# Allegro board 8880F5-0823__zarif.brd (continued)
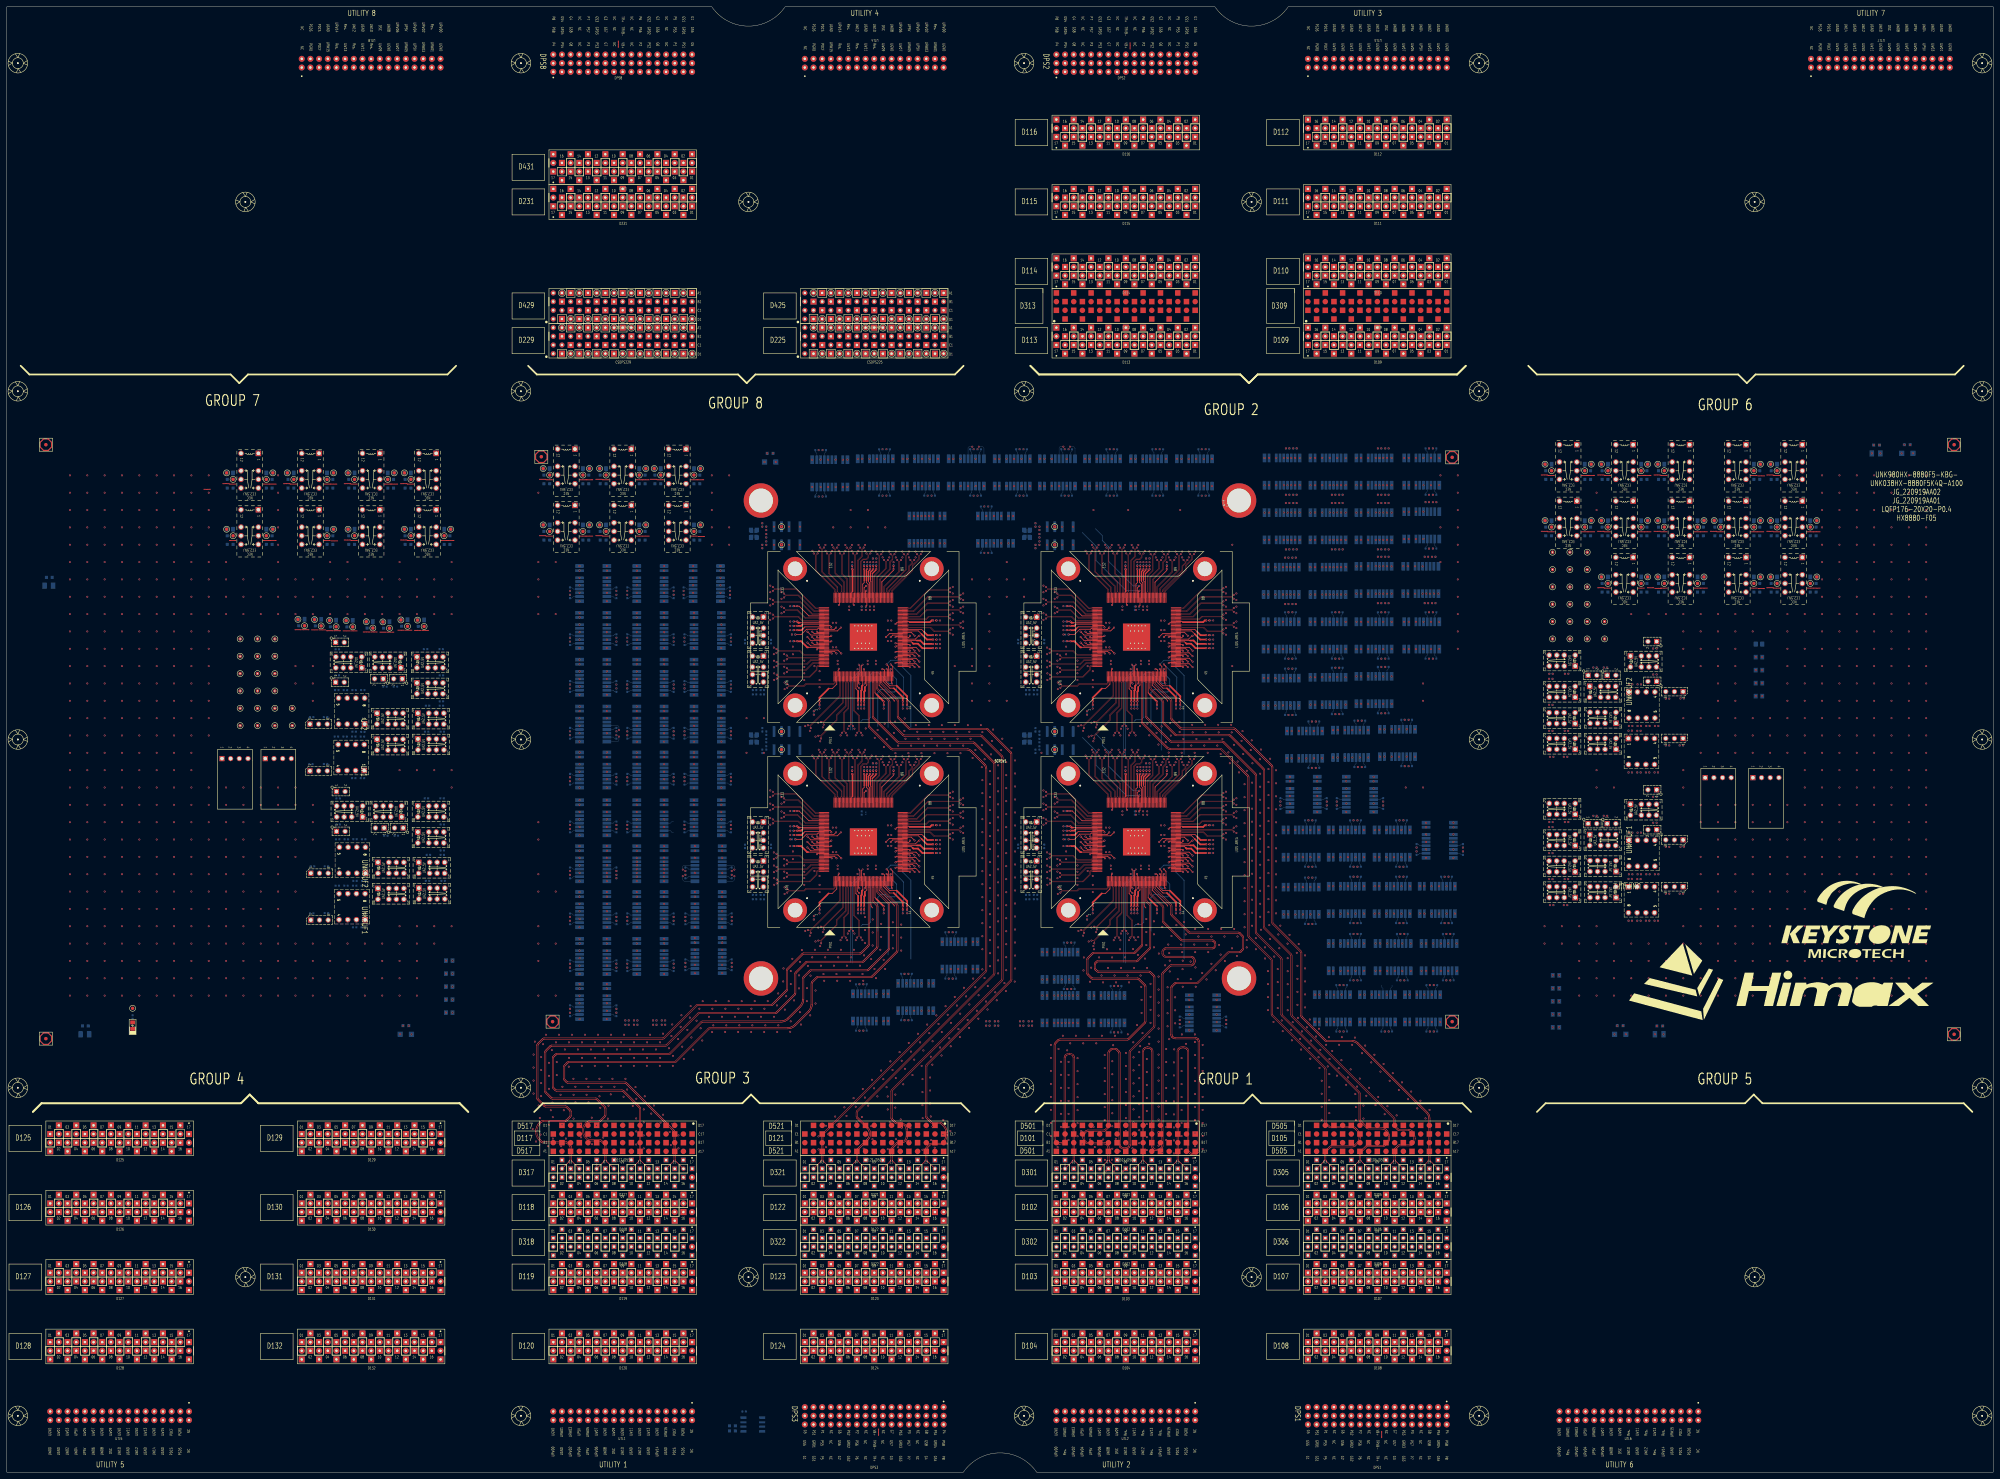
[diagram p0: board, top side]
## Routing (per net, layer and track width the routed paths; a pad name or vN(x,y) marks a point on that pad's centre or on a via; arc(x,y) is an arc through that point) (continued)
S2_1TX_100DCH005-: length 80.1
  TOP w0.086: v1(356.24,255.09) 355.78,254.63 349.51,254.63 346.43,251.55 344.06,251.55 343.98,251.63 SITE2.84
  L30_SIGNAL w0.071: v1(403.63,251.9) 403.15,251.43 403.15,250.3 395.84,242.99 357.1,242.99 354.92,245.17 354.92,254.14 355.39,254.62 355.77,254.62 v1(356.24,255.09)
S2_1TX_100DCH006+: length 90
  TOP w0.086: SITE2.85 343.98,252.03 344.06,252.11 345.58,252.11 349.82,256.36 358.81,256.36 v1(359.29,255.88)
  L30_SIGNAL w0.071: v1(402.48,238.32) 402.95,237.84 402.95,237.4 402.32,236.77 359.26,236.77 354.16,241.87 354.16,254.64 355.87,256.35 358.82,256.35 v1(359.29,255.88)
S2_1TX_100DCH006-: length 91
  TOP w0.086: v1(359.29,257.02) 358.87,256.6 349.73,256.6 345.48,252.35 344.06,252.35 343.98,252.43 SITE2.86
  L30_SIGNAL w0.071: v1(359.29,257.02) 358.82,256.55 355.79,256.55 353.97,254.73 353.97,241.78 359.18,236.57 402.4,236.57 403.15,237.32 403.15,237.84 v1(403.63,238.32)
S2_1TX_100DCH007+: length 83.2
  TOP w0.086: SITE2.87 343.98,252.83 344.06,252.91 344.57,252.91 349.88,258.23 355.83,258.23 v1(356.24,257.81)
  L30_SIGNAL w0.071: v1(356.24,257.81) 356.72,258.28 362.24,258.28 369.66,250.87 377.37,250.87 379.38,252.88 379.38,274.01 372.95,280.44 372.95,284.92 373.49,285.46 375.76,285.46 376.04,285.19 376.04,284.39 v1(375.56,283.91)
S2_1TX_100DCH007-: length 83.5
  TOP w0.086: SITE2.88 343.98,253.23 344.06,253.15 344.47,253.15 349.78,258.47 355.76,258.47 v1(356.24,258.95)
  L30_SIGNAL w0.071: v1(376.7,283.91) 376.23,284.38 376.23,285.27 375.85,285.66 373.41,285.66 372.75,285 372.75,280.36 379.18,273.93 379.18,252.96 377.29,251.06 369.74,251.06 362.32,258.48 356.72,258.48 v1(356.24,258.95)
S2_2AUX+:
  vias: v1(290.31,132.08) v1(290.31,130.81)
S2_2AUX-:
  vias: v1(286.77,130.81) v1(287.77,132.08)
S2_2TX_100DCH001+: length 48.8
  TOP w0.086: SITE2.89 339.43,257.78 339.35,257.86 339.35,258.16 345.32,264.13 345.32,265.52 347.21,267.41 347.21,268.5 v1(347.64,268.93)
  L32_SIGNAL w0.071: v1(375.56,270.32) 376.03,269.85 376.03,268.98 375.72,268.67 357.83,268.67 356.82,269.68 349.14,269.68 347.62,268.16 347.26,268.16 347.17,268.24 347.17,268.46 v1(347.64,268.93)
S2_2TX_100DCH001-: length 49.4
  TOP w0.086: v1(346.5,268.93) 346.97,268.46 346.97,267.51 345.08,265.62 345.08,264.23 339.11,258.26 339.11,257.86 339.03,257.78 SITE2.90
  L32_SIGNAL w0.071: v1(376.7,270.32) 376.23,269.85 376.23,268.9 375.8,268.48 357.74,268.48 356.74,269.48 349.23,269.48 347.7,267.96 347.18,267.96 346.97,268.16 346.97,268.46 v1(346.5,268.93)
S2_2TX_100DCH002+: length 79.7
  TOP w0.086: SITE2.91 338.63,257.78 338.55,257.86 338.55,258.23 344.35,264.04 344.35,265.37 345.28,266.31 345.28,266.78 v1(345.72,267.21)
  L32_SIGNAL w0.071: v1(402.48,268.16) 402.95,268.63 402.95,268.91 402.78,269.09 400.26,269.09 397.07,265.9 386.11,265.9 381.04,270.97 346,270.97 345.24,270.21 345.24,267.69 v1(345.72,267.21)
S2_2TX_100DCH002-: length 80.4
  TOP w0.086: v1(344.57,267.21) 345.04,266.74 345.04,266.4 344.11,265.47 344.11,264.13 338.31,258.33 338.31,257.86 338.23,257.78 SITE2.92
  L32_SIGNAL w0.071: v1(344.57,267.21) 345.04,267.69 345.04,270.3 345.92,271.17 381.12,271.17 386.19,266.1 396.99,266.1 400.18,269.28 402.86,269.28 403.15,268.99 403.15,268.63 v1(403.63,268.16)
S2_2TX_100DCH003+: length 92.4
  TOP w0.086: v1(343.79,268.93) 343.34,268.49 343.34,264.27 337.75,258.68 337.75,257.86 337.83,257.78 SITE2.93
  L32_SIGNAL w0.071: v1(402.48,254.57) 402.95,254.1 402.95,253.32 402.31,252.68 396.06,252.68 394.29,254.45 394.29,258.84 391.57,261.55 356.58,261.55 354.26,259.23 345.64,259.23 343.31,261.56 343.31,268.46 v1(343.79,268.93)
S2_2TX_100DCH003-: length 93.1
  TOP w0.086: v1(342.64,268.93) 343.1,268.47 343.1,264.37 337.51,258.78 337.51,257.86 337.43,257.78 SITE2.94
  L32_SIGNAL w0.071: v1(342.64,268.93) 343.12,268.46 343.12,261.48 345.56,259.03 354.34,259.03 356.66,261.35 391.49,261.35 394.09,258.75 394.09,254.37 395.98,252.48 402.4,252.48 403.15,253.23 403.15,254.1 v1(403.63,254.57)
S2_2TX_100DCH004+: length 129.9
  TOP w0.086: v1(341.86,267.21) 341.41,266.77 341.41,263.74 336.95,259.28 336.95,257.86 337.03,257.78 SITE2.95
  L05_SIGNAL w0.071: 408.19,304.18 408.19,287.36 406.4,285.57 403.61,285.57 402.95,284.92 402.95,283.98 402.88,283.91 v1(402.48,283.91)
  L32_SIGNAL w0.071: v1(341.86,267.21) 341.38,267.69 341.38,271.07 342.6,272.28 366.18,272.28 366.74,271.72 381.81,271.72 384.63,268.89 396.65,268.89 397.32,269.57 406.19,269.57 407.18,270.55 407.18,284.31 406.19,285.29 403.21,285.29 402.95,285.04 402.95,284.38 v1(402.48,283.91)
S2_2TX_100DCH004-: length 129.3
  TOP w0.086: v1(340.71,267.21) 341.17,266.75 341.17,263.84 336.71,259.38 336.71,257.86 336.63,257.78 SITE2.96
  L05_SIGNAL w0.071: v1(403.63,283.91) 403.22,283.91 403.15,283.98 403.15,284.84 403.69,285.37 406.48,285.37 408.39,287.28 408.39,304.18
  L32_SIGNAL w0.071: v1(403.63,283.91) 403.15,284.38 403.15,284.96 403.29,285.09 406.11,285.09 406.98,284.23 406.98,270.64 406.11,269.77 397.24,269.77 396.56,269.09 384.72,269.09 381.89,271.92 366.83,271.92 366.26,272.48 342.52,272.48 341.19,271.15 341.19,267.69 v1(340.71,267.21)
S2_2TX_100DCH005+: length 86.3
  TOP w0.086: SITE2.98 335.83,257.78 335.75,257.86 335.75,261.48 338.7,264.43 338.7,266.53 339.46,267.3 339.46,268.47 v1(339.93,268.93)
  L32_SIGNAL w0.071: v1(339.93,268.93) 339.45,269.4 339.45,271.76 340.65,272.96 366.4,272.96 367.14,272.22 383.39,272.22 386.2,269.41 395,269.41 397.98,272.39 402.45,272.39 402.95,271.88 402.95,270.79 v1(402.48,270.32)
S2_2TX_100DCH005-: length 86.9
  TOP w0.086: v1(338.78,268.93) 339.22,268.49 339.22,267.39 338.46,266.63 338.46,264.53 335.51,261.58 335.51,257.86 335.43,257.78 SITE2.99
  L32_SIGNAL w0.071: v1(403.63,270.32) 403.15,270.79 403.15,271.96 402.53,272.59 397.9,272.59 394.92,269.61 386.29,269.61 383.48,272.42 367.22,272.42 366.48,273.15 340.57,273.15 339.26,271.84 339.26,269.4 v1(338.78,268.93)
S2_2TX_100DCH006+: length 234.5
  TOP w0.086: v1(338,267.21) 337.55,266.76 337.55,264.67 334.95,262.07 334.95,257.86 335.03,257.78 SITE2.100
  L05_SIGNAL w0.071: v1(389.02,283.91) 389.42,283.91 389.49,283.98 389.49,285.03 390.19,285.73 391.88,285.73 393.3,287.15 393.3,308.92
  L32_SIGNAL w0.071: v1(338,267.21) 337.53,266.74 337.53,264.24 336.26,262.97 320.43,262.97 314.95,268.46 314.95,273.47 318.65,277.17 363.57,277.17 367.03,280.62 367.03,302.08 369.35,304.4 404,304.4 406.96,301.44 406.96,295.52 404.38,292.94 387.04,292.94 386.34,292.25 386.34,283.28 387.45,282.17 388.8,282.17 389.48,282.85 389.48,283.45 v1(389.02,283.91)
S2_2TX_100DCH006-: length 233.9
  TOP w0.086: SITE2.101 334.63,257.78 334.71,257.86 334.71,262.17 337.31,264.77 337.31,266.76 v1(336.85,267.21)
  L05_SIGNAL w0.071: v1(390.16,283.91) 389.76,283.91 389.69,283.98 389.69,284.94 390.28,285.53 391.96,285.53 393.5,287.07 393.5,308.92
  L32_SIGNAL w0.071: v1(336.85,267.21) 337.33,266.74 337.33,264.32 336.18,263.17 320.52,263.17 315.15,268.54 315.15,273.39 318.73,276.97 363.66,276.97 367.22,280.54 367.22,302 369.43,304.2 403.91,304.2 406.76,301.36 406.76,295.6 404.3,293.14 386.95,293.14 386.15,292.33 386.15,283.2 387.37,281.98 388.89,281.98 389.67,282.76 389.67,283.42 v1(390.16,283.91)
S2_2TX_100DCH007+: length 74.7
  TOP w0.086: v1(336.07,268.93) 335.64,268.51 335.64,264.07 334.15,262.58 334.15,257.86 334.23,257.78 SITE2.102
  L32_SIGNAL w0.071: v1(389.02,270.32) 389.49,270.79 389.49,271.84 389.03,272.31 386.97,272.31 385.33,273.94 336.71,273.94 335.6,272.83 335.6,269.4 v1(336.07,268.93)
S2_2TX_100DCH007-: length 75.3
  TOP w0.086: SITE2.103 333.83,257.78 333.91,257.86 333.91,262.68 335.4,264.17 335.4,268.46 v1(334.93,268.93)
  L32_SIGNAL w0.071: v1(390.16,270.32) 389.69,270.79 389.69,271.93 389.11,272.51 387.05,272.51 385.42,274.14 336.63,274.14 335.4,272.91 335.4,269.4 v1(334.93,268.93)
S2_3TX_100DCH002+: length 95.9
  TOP w0.086: SITE2.114 329.43,257.78 329.35,257.86 329.35,267.06 330.46,268.18 330.46,270.4 v1(330.93,270.87)
  L30_SIGNAL w0.071: v1(330.93,270.87) 330.46,271.34 330.46,287.51 334.25,291.3 383.92,291.3 386.91,288.31 388.91,288.31 389.49,287.73 389.49,286.79 v1(389.02,286.32)
S2_3TX_100DCH002-: length 96.6
  TOP w0.086: SITE2.115 329.03,257.78 329.11,257.86 329.11,267.16 330.22,268.28 330.22,270.43 v1(329.79,270.87)
  L30_SIGNAL w0.071: v1(329.79,270.87) 330.26,271.34 330.26,287.59 334.17,291.5 384.01,291.5 386.99,288.51 388.99,288.51 389.69,287.81 389.69,286.79 v1(390.16,286.32)
S2_3TX_100DCH003+: length 178.1
  TOP w0.086: SITE2.116 328.63,257.78 328.55,257.86 328.55,268.77 v1(328.93,269.15)
  L30_SIGNAL w0.071: v1(416.2,268.16) 416.67,268.63 416.67,269.56 417.12,270.01 420.89,270.01 427.99,277.1 427.99,297.73 423.31,302.4 389.65,302.4 379.88,292.63 332.05,292.63 328.18,288.75 328.18,286.24 329.59,284.83 329.59,279.95 328.46,278.82 328.46,269.62 v1(328.93,269.15)
S2_3TX_100DCH003-: length 178.8
  TOP w0.086: v1(327.79,269.15) 328.31,268.63 328.31,257.86 328.23,257.78 SITE2.117
  L30_SIGNAL w0.071: v1(327.79,269.15) 328.26,269.62 328.26,278.9 329.39,280.03 329.39,284.75 327.98,286.16 327.98,288.84 331.97,292.83 379.8,292.83 389.57,302.6 423.39,302.6 428.19,297.81 428.19,277.02 420.98,269.81 417.2,269.81 416.87,269.48 416.87,268.63 v1(417.34,268.16)
S2_3TX_100DCH004+: length 197.9
  TOP w0.086: SITE2.120 327.03,257.78 326.95,257.86 326.95,262.28 326.61,262.62 326.61,270.41 v1(327.07,270.87)
  L30_SIGNAL w0.071: v1(416.2,254.57) 416.67,255.04 416.67,256.08 417.38,256.79 421.5,256.79 430.07,265.36 430.07,299.82 425.86,304.03 387.74,304.03 377.35,293.64 331.83,293.64 326.6,288.41 326.6,271.34 v1(327.07,270.87)
S2_3TX_100DCH004-: length 198.6
  TOP w0.086: v1(325.93,270.87) 326.38,270.42 326.38,262.52 326.71,262.19 326.71,257.86 326.63,257.78 SITE2.121
  L30_SIGNAL w0.071: v1(325.93,270.87) 326.4,271.34 326.4,288.49 331.75,293.84 377.27,293.84 387.66,304.22 425.94,304.22 430.27,299.9 430.27,265.27 421.59,256.6 417.46,256.6 416.87,256 416.87,255.04 v1(417.34,254.57)
S2_3TX_100DCH005+: length 80.1
  TOP w0.086: SITE2.122 326.23,257.78 326.15,257.86 326.15,261.71 324.69,263.17 324.69,268.7 v1(325.14,269.15)
  L30_SIGNAL w0.071: v1(325.14,269.15) 324.67,268.68 324.67,260.8 328.04,257.43 350.56,257.43 359.03,265.9 374.99,265.9 375.78,266.69 375.78,267.43 v1(375.3,267.91)
S2_3TX_100DCH005-: length 80.8
  TOP w0.086: SITE2.123 325.83,257.78 325.91,257.86 325.91,261.61 324.46,263.07 324.46,268.69 v1(324,269.15)
  L30_SIGNAL w0.071: v1(376.45,267.91) 375.97,267.43 375.97,266.6 375.07,265.7 359.11,265.7 350.65,257.24 327.95,257.24 324.47,260.72 324.47,268.68 v1(324,269.15)
S2_3TX_100DCH006+: length 88
  TOP w0.086: v1(323.16,270.88) 322.73,270.45 322.73,263.37 325.35,260.75 325.35,257.86 325.43,257.78 SITE2.124
  L30_SIGNAL w0.071: v1(323.16,270.88) 322.69,270.41 322.69,260.27 326.07,256.89 351.23,256.89 355.31,260.97 362.69,260.97 370.92,252.74 375.38,252.74 375.77,253.14 375.77,253.85 v1(375.3,254.32)
S2_3TX_100DCH006-: length 88.7
  TOP w0.086: v1(322.02,270.88) 322.49,270.41 322.49,263.28 325.11,260.65 325.11,257.86 325.03,257.78 SITE2.125
  L30_SIGNAL w0.071: v1(322.02,270.88) 322.49,270.41 322.49,260.18 325.99,256.69 351.31,256.69 355.4,260.77 362.61,260.77 370.84,252.54 375.46,252.54 375.97,253.06 375.97,253.84 v1(376.45,254.32)
S2_3TX_100DCH007+: length 99.9
  TOP w0.086: v1(321.28,269.15) 320.83,268.7 320.83,263.34 324.55,259.62 324.55,257.86 324.63,257.78 SITE2.126
  L30_SIGNAL w0.071: v1(375.56,299.91) 376.03,300.39 376.03,302.26 375.52,302.78 365.33,302.78 357.45,294.9 324.29,294.9 320.81,291.42 320.81,269.62 v1(321.28,269.15)
S2_3TX_100DCH007-: length 100.6
  TOP w0.086: SITE2.127 324.23,257.78 324.31,257.86 324.31,259.52 320.59,263.24 320.59,268.7 v1(320.14,269.15)
  L30_SIGNAL w0.071: v1(320.14,269.15) 320.61,269.62 320.61,291.51 324.21,295.1 357.37,295.1 365.25,302.98 375.6,302.98 376.23,302.34 376.23,300.38 v1(376.7,299.91)
S2_4TX_100DCH001+: length 113.2
  TOP w0.086: v1(319.3,270.88) 318.85,270.43 318.85,263.79 323.35,259.29 323.35,257.86 323.43,257.78 SITE2.129
  L05_SIGNAL w0.071: 379.31,309.29 379.31,296.43 377.83,294.96 377.83,288.85 376.03,287.05 376.03,286.39 375.96,286.32 v1(375.56,286.32)
  L32_SIGNAL w0.071: v1(319.3,270.88) 318.83,271.35 318.83,273.64 320.4,275.21 365.27,275.21 370.62,280.56 370.62,286.81 372.07,288.26 375.39,288.26 376.03,287.61 376.03,286.79 v1(375.56,286.32)
S2_4TX_100DCH001-: length 113.9
  TOP w0.086: SITE2.130 323.03,257.78 323.11,257.86 323.11,259.19 318.61,263.69 318.61,270.43 v1(318.16,270.88)
  L05_SIGNAL w0.071: v1(376.7,286.32) 376.3,286.32 376.23,286.39 376.23,286.97 378.03,288.77 378.03,294.88 379.51,296.35 379.51,309.29
  L32_SIGNAL w0.071: v1(318.16,270.88) 318.63,271.35 318.63,273.73 320.31,275.41 365.19,275.41 370.42,280.64 370.42,286.89 371.98,288.46 375.47,288.46 376.23,287.69 376.23,286.79 v1(376.7,286.32)
S2_4TX_100DCH002+: length 143.6
  TOP w0.086: SITE2.131 322.63,257.78 322.55,257.86 322.55,258.66 316.97,264.24 316.97,268.69 v1(317.43,269.15)
  L05_SIGNAL w0.071: v1(402.48,299.91) 402.88,299.91 402.95,299.98 402.95,310.83
  L32_SIGNAL w0.071: v1(402.48,299.91) 402.95,300.38 402.95,301.1 401.84,302.21 369.88,302.21 369.01,301.35 369.01,280.51 364.67,276.16 319.35,276.16 316.95,273.76 316.95,269.62 v1(317.43,269.15)
S2_4TX_100DCH002-: length 144.2
  TOP w0.086: SITE2.132 322.23,257.78 322.31,257.86 322.31,258.56 316.73,264.14 316.73,268.71 v1(316.28,269.15)
  L05_SIGNAL w0.071: v1(403.63,299.91) 403.22,299.91 403.15,299.98 403.15,310.83
  L32_SIGNAL w0.071: v1(316.28,269.15) 316.75,269.62 316.75,273.84 319.27,276.36 364.58,276.36 368.81,280.59 368.81,301.43 369.8,302.41 401.92,302.41 403.15,301.18 403.15,300.38 v1(403.63,299.91)
S2_4TX_100DCH003+: length 197.4
  TOP w0.086: v1(304.31,259.31) 304.75,258.87 311.22,258.87 316.94,253.15 317.6,253.15 317.68,253.23 SITE2.133
  L05_SIGNAL w0.071: 406.38,304.62 406.38,289.06 405.84,288.52 403.97,288.52 402.95,287.5 402.95,286.39 402.88,286.32 v1(402.48,286.32)
  L32_SIGNAL w0.071: v1(402.48,286.32) 402.95,286.79 402.95,288.13 403.4,288.57 406.37,288.57 408.24,290.45 408.24,301.49 402.53,307.2 368.91,307.2 363.76,302.05 363.76,296.36 345.5,278.1 312.48,278.1 301.98,267.6 301.98,259.59 302.73,258.84 303.83,258.84 v1(304.31,259.31)
S2_4TX_100DCH003-: length 198.3
  TOP w0.086: v1(304.31,258.17) 304.77,258.63 311.12,258.63 316.84,252.91 317.6,252.91 317.68,252.83 SITE2.134
  L05_SIGNAL w0.071: 406.58,304.62 406.58,288.98 405.92,288.32 404.06,288.32 403.15,287.42 403.15,286.39 403.22,286.32 v1(403.63,286.32)
  L32_SIGNAL w0.071: v1(304.31,258.17) 303.83,258.64 302.65,258.64 301.78,259.51 301.78,267.68 312.39,278.3 345.42,278.3 363.57,296.44 363.57,302.13 368.83,307.4 402.62,307.4 408.44,301.57 408.44,290.37 406.45,288.38 403.48,288.38 403.15,288.05 403.15,286.79 v1(403.63,286.32)
S2_4TX_100DCH004+: length 88.5
  TOP w0.086: SITE2.135 317.68,252.43 317.6,252.35 316.46,252.35 311.86,256.95 308.04,256.95 v1(307.6,257.38)
  L32_SIGNAL w0.071: v1(375.3,251.9) 375.78,251.43 375.78,250.53 375.26,250.01 373.63,250.01 365.31,258.33 359.12,258.33 357.11,256.33 354.67,256.33 354.09,256.91 308.07,256.91 v1(307.6,257.38)
S2_4TX_100DCH004-: length 88.9
  TOP w0.086: SITE2.136 317.68,252.03 317.6,252.11 316.36,252.11 311.76,256.71 308.07,256.71 v1(307.6,256.24)
  L32_SIGNAL w0.071: v1(376.45,251.9) 375.98,251.43 375.98,250.45 375.34,249.81 373.55,249.81 365.23,258.13 359.2,258.13 357.2,256.13 354.59,256.13 354.01,256.71 308.07,256.71 v1(307.6,256.24)
S2_4TX_100DCH005+: length 99.8
  TOP w0.086: v1(304.31,255.45) 304.75,255.01 312.43,255.01 315.88,251.55 317.6,251.55 317.68,251.63 SITE2.137
  L32_SIGNAL w0.071: v1(304.31,255.45) 304.78,254.98 305.14,254.98 306.04,254.08 306.04,251.27 307.02,250.29 349.51,250.29 356.97,242.83 363.64,242.83 370.4,236.08 375.02,236.08 375.78,236.83 375.78,237.84 v1(375.3,238.32)
S2_4TX_100DCH005-: length 100.1
  TOP w0.086: SITE2.138 317.68,251.23 317.6,251.31 315.78,251.31 312.33,254.77 304.76,254.77 v1(304.31,254.31)
  L32_SIGNAL w0.071: v1(376.45,238.32) 375.98,237.84 375.98,236.75 375.1,235.88 370.31,235.88 363.56,242.63 356.89,242.63 349.43,250.09 306.94,250.09 305.84,251.19 305.84,254 305.06,254.78 304.78,254.78 v1(304.31,254.31)
S2_4TX_100DCH006+: length 128.6
  TOP w0.086: SITE2.140 317.68,250.43 317.6,250.35 313.87,250.35 311.52,252.7 308.04,252.7 v1(307.6,253.14)
  L32_SIGNAL w0.071: v1(416.45,251.9) 416.92,251.43 416.92,250.12 414.4,247.6 362.89,247.6 357.8,252.69 355.66,252.69 354.39,251.43 325.91,251.43 324.67,252.67 308.07,252.67 v1(307.6,253.14)
S2_4TX_100DCH006-: length 128.9
  TOP w0.086: SITE2.141 317.68,250.03 317.6,250.11 313.78,250.11 311.43,252.46 308.06,252.46 v1(307.6,252)
  L32_SIGNAL w0.071: v1(417.6,251.9) 417.12,251.43 417.12,250.04 414.49,247.4 362.81,247.4 357.71,252.5 355.74,252.5 354.47,251.23 325.83,251.23 324.59,252.47 308.07,252.47 v1(307.6,252)
S2_4TX_100DCH007+: length 142.7
  TOP w0.086: SITE2.142 317.68,249.63 317.6,249.55 313.04,249.55 311.83,250.76 304.76,250.76 v1(304.31,251.21)
  L32_SIGNAL w0.071: v1(416.45,238.32) 416.92,237.84 416.92,236.22 414.88,234.17 369.68,234.17 365.44,238.42 344.11,238.42 343.63,237.94 339.58,237.94 338.54,238.98 316.99,238.98 315.38,240.6 309.17,240.6 306.67,243.09 306.67,249.45 305.38,250.74 304.78,250.74 v1(304.31,251.21)
S2_4TX_100DCH007-: length 143
  TOP w0.086: v1(304.31,250.07) 304.76,250.52 311.73,250.52 312.94,249.31 317.6,249.31 317.68,249.23 SITE2.143
  L32_SIGNAL w0.071: v1(304.31,250.07) 304.78,250.54 305.3,250.54 306.47,249.37 306.47,243.01 309.08,240.4 315.3,240.4 316.91,238.79 338.45,238.79 339.5,237.74 343.71,237.74 344.19,238.22 365.35,238.22 369.6,233.97 414.96,233.97 417.12,236.14 417.12,237.84 v1(417.6,238.32)
S2_AUX_100DCH002+:
  vias: v1(289.31,132.08)
S2_AUX_100DCH002-:
  vias: v1(286.77,132.08)
S2_AUXCH+: length 32.3
  TOP w0.203: v2(330.6,236.57) 330.23,236.2 SITE2.21
  BOTTOM w0.203: v2(330.6,236.57) 330.3,236.28 330.3,234.52 327.57,231.79 327.57,209.14
S2_AUXCH-: length 32.1
  TOP w0.203: SITE2.20 329.83,236.2 v2(329.46,236.57)
  BOTTOM w0.203: v2(329.46,236.57) 329.76,236.28 329.76,234.75 327.02,232.02 327.02,209.37
S2_AVDD11_RX: length 8.4
  TOP w0.231: 334.67,227.85 334.23,228.29 SITE2.31
  TOP w0.508: v1(336.77,225.75) 334.67,227.85
  vias: v1(336.77,223.71)
S2_AVDD11_XTAL: length 8.8
  TOP w0.231: 332.87,261.45 332.87,261.11 333.03,260.95 SITE2.105
  TOP w0.381: 332.87,261.45 332.87,263.59 333.72,264.44 v1(333.72,264.54)
  vias: v1(333.72,266.58)
S2_AVDD18_RX: length 7.7
  TOP w0.231: 331.28,230.01 331.83,230.56 SITE2.25
  TOP w0.508: 331.28,230.01 331.28,228.9 331.06,228.68 v1(331.06,225.75)
  vias: v1(331.06,223.71)
S2_DCH041: length 2.2
  TOP w0.231: SITE2.159 317.43,242.83 v1(317.23,243.03)
S2_DCH042: length 3.7
  TOP w0.231: v1(315.83,243.03) 316.43,242.43 SITE2.160
S2_DCH043: length 5.3
  TOP w0.231: v1(314.43,243.03) 315.44,242.03 SITE2.161
S2_DCH044: length 2.2
  TOP w0.231: SITE2.163 317.43,241.23 v1(317.23,241.03)
S2_DCH045: length 5.4
  TOP w0.231: v1(324.35,239.83) 323.35,240.83 SITE2.164
S2_DCH046: length 3.9
  TOP w0.231: v1(322.95,239.83) 322.35,240.43 SITE2.165
S2_DCH047: length 2.3
  TOP w0.231: SITE2.166 321.36,240.03 v1(321.56,239.83)
S2_DCH048:
  vias: v1(309.05,276.97)
S2_DCH049:
  vias: v1(309.05,271.67)
S2_DPS_F_001:
  vias: v1(287.77,130.81)
S2_DPS_F_002: length 10.1
  TOP w0.231: 320.65,229.55 321.72,229.55 323.03,230.86 SITE2.3
  TOP w0.508: 320.65,229.55 317.98,226.88 v1(317.98,225.75)
  vias: v1(316.32,222.9) v1(317.98,223.71)
S2_DPS_F_003: length 63.1
  TOP w0.231: 347.84,245.53 346.94,246.43 SITE2.71 ; SITE2.63 344.9,243.23 345.2,242.93 ; 329.28,228.85 328.63,229.5 SITE2.17 ; 314.63,241.63 SITE2.162 ; SITE2.145 313.08,248.43 312.83,248.18 ; SITE2.37 336.63,231.59 338.57,229.66 339.73,229.66 ; SITE2.107 332.23,260.11 331.69,260.65 331.69,261.16
  TOP w0.381: v1(331.94,264.54) 331.69,264.28 331.69,261.16
  TOP w0.508: v1(311.44,247.93) 312.58,247.93 312.83,248.18 ; 345.2,242.93 345.45,242.67 346.8,242.67 348.11,241.37 v1(351.22,241.37) ; v1(351.22,243.91) 349.45,243.91 347.84,245.53 ; v1(329.28,225.75) 329.28,228.85 ; 339.73,229.66 342.36,227.02 342.36,225.75 ; 314.63,241.63 314.37,241.63 312.59,243.41 v1(311.44,243.41)
  vias: v1(309.4,247.93) v1(309.4,243.41) v1(329.28,223.71) v1(331.94,266.58) v1(342.36,223.71) v1(353.27,243.91) v1(353.27,241.37) v1(464.57,235.71)
S2_DPS_F_006: length 9.6
  TOP w0.231: SITE2.72 347.92,246.83 348.55,246.19
  TOP w0.508: 348.55,246.19 349.56,245.18 v1(351.22,245.18)
  vias: v1(339,246.67) v1(353.27,245.18)
S2_DPS_F_007: length 19
  TOP w0.231: SITE2.78 344.15,249.23 344.37,249.01 ; SITE2.97 336.23,260.71 339.65,264.13 v1(339.65,264.54)
  TOP w0.508: 344.37,249.01 350.31,249.01 350.8,249.5 v1(351.22,249.5)
  vias: v1(339.65,266.58) v1(353.27,249.5)
S2_DPS_F_009: length 8.8
  TOP w0.231: SITE2.106 332.63,260.53 332.26,260.9 332.26,261.12
  TOP w0.381: v1(332.83,264.54) 332.83,264.39 332.26,263.82 332.26,261.12
  vias: v1(332.83,266.58) v1(333.61,267.66)
S2_DPS_F_010: length 8.6
  TOP w0.231: SITE2.111 330.63,260.15 331.05,260.57 331.05,261.13
  TOP w0.381: 331.05,261.13 v1(331.05,264.54)
  vias: v1(330.63,253.59) v1(331.05,266.58)
S2_DPS_F_011: length 17.6
  TOP w0.231: v1(311.44,253.69) 312.01,253.69 314.87,250.83 SITE2.139 ; 327.64,258.01 327.43,257.79 SITE2.119
  TOP w0.508: v1(327.57,264.54) 327.64,264.47 327.64,258.01
  vias: v1(309.4,253.69) v1(327.57,266.58)
S2_DPS_F_012: length 8
  TOP w0.231: 312.2,248.83 SITE2.144
  TOP w0.508: v1(311.44,249.2) 311.81,248.83 312.2,248.83
  vias: v1(309.4,249.2)
S2_DPS_F_013:
  vias: v1(452.62,232.41) v1(452.62,224.79) v1(457.25,233.88) v1(474.87,217.23) v1(474.89,204.98) v1(474.99,218.59) v1(475.99,230.78) v1(478.43,217.17) v1(478.43,204.98) v1(478.53,230.78) v1(478.53,218.59) v1(480.97,204.98) v1(481.07,218.59) v1(482.1,241.3) v1(482.1,233.68) v1(483.51,204.98) v1(483.61,218.59) v1(489.86,212.91) v1(490.1,226.67)
S2_ISP00+: length 14.6
  TOP w0.086: v1(356.24,245.73) 355.81,246.16 351.56,246.16 350.41,247.31 344.06,247.31 343.98,247.23 SITE2.73
  vias: v1(386.29,257.11)
S2_ISP00-: length 14.6
  TOP w0.086: SITE2.74 343.98,247.63 344.06,247.55 350.51,247.55 351.66,246.4 355.77,246.4 v1(356.24,246.87)
  vias: v1(386.29,265.11)
S2_ISP14+: length 84.9
  TOP w0.086: v1(332.86,269.15) 332.42,268.71 332.42,267.92 331.76,267.26 330.73,267.26 330.15,266.68 330.15,257.86 330.23,257.78 SITE2.112
  L28_SIGNAL w0.071: v1(332.86,269.15) 332.39,269.62 332.39,271.2 334.35,273.15 352.61,273.15 364.75,261.01 390.36,261.01 390.69,260.68 v1(390.69,257.11)
S2_ISP14-: length 85.2
  TOP w0.086: v1(331.72,269.15) 332.18,268.69 332.18,268.02 331.66,267.5 330.63,267.5 329.91,266.78 329.91,257.86 329.83,257.78 SITE2.113
  L28_SIGNAL w0.071: v1(331.72,269.15) 332.19,269.62 332.19,271.28 334.26,273.35 352.69,273.35 364.83,261.21 390.38,261.21 390.69,261.53 v1(390.69,265.11)
S2_M_DPS_F_001: length 45.2
  TOP w0.231: SITE2.39 337.43,231.49 338.54,230.37 340.57,230.37 ; SITE2.104 333.43,263.21 ; 330.63,230.54 SITE2.22 ; 313.24,247.18 313.7,247.63 SITE2.147 ; 346.49,243.63 SITE2.64
  TOP w0.381: v1(334.61,264.54) 334.61,264.39 333.43,263.21
  TOP w0.508: v1(311.44,246.66) 312.72,246.66 313.24,247.18 ; 330.63,230.54 330.38,230.28 330.38,229.17 330.17,228.96 v1(330.17,225.75) ; 340.57,230.37 343.63,227.31 v1(343.63,225.75) ; v1(351.22,242.64) 348.48,242.64 347.49,243.63 346.49,243.63
  vias: v1(309.4,246.66) v1(330.17,223.71) v1(334.61,266.58) v1(343.63,223.71) v1(353.27,242.64)
S2_PS9G_DCH001: length 3.7
  TOP w0.231: v1(329.63,229.63) 329.03,230.23 SITE2.18
S2_PS9G_DCH002: length 2.2
  TOP w0.231: SITE2.19 329.43,231.23 v1(329.63,231.03)
S2_PS9G_DCH003: length 2.2
  TOP w0.231: v1(331.23,231.03) 331.43,231.23 SITE2.24
S2_PS9G_DCH004: length 2.2
  TOP w0.231: SITE2.40 337.83,235.03 v1(337.63,235.23)
S2_PS9G_DCH005: length 2.2
  TOP w0.231: v1(344.43,235.83) 344.23,236.03 SITE2.45
S2_PS9G_DCH006: length 3.7
  TOP w0.231: v1(345.83,235.83) 345.23,236.43 SITE2.46
S2_PS9G_DCH007: length 5.3
  TOP w0.231: SITE2.47 346.22,236.83 v1(347.22,235.83)
S2_PS9G_DCH009: length 2.2
  TOP w0.231: v1(344.43,237.43) 344.23,237.63 SITE2.49
S2_PS9G_DCH010: length 3.7
  TOP w0.231: v1(345.83,237.43) 345.23,238.03 SITE2.50
S2_PS9G_DCH011: length 5.3
  TOP w0.231: v1(347.22,237.43) 346.22,238.43 SITE2.51
S2_PS9G_DCH014: length 3.7
  TOP w0.231: v1(345.83,239.03) 345.23,239.63 SITE2.54
S2_PS9G_DCH015: length 5.3
  TOP w0.231: SITE2.55 346.22,240.03 v1(347.22,239.03)
S2_PS9G_DCH022: length 5.3
  TOP w0.231: SITE2.65 346.05,244.03 347.05,245.03 v1(347.22,245.03)
S2_PS9G_DCH023: length 2.5
  TOP w0.231: SITE2.66 344.03,244.43 344.43,244.83 v1(344.43,245.03)
S2_PS9G_DCH027: length 3.9
  TOP w0.231: v1(345.83,245.03) 344.83,246.03 SITE2.70
S2_PS9G_DCH028: length 2.3
  TOP w0.231: v1(340.23,248.46) 340.6,248.83 SITE2.77
S2_PS9G_DCH029: length 2.2
  TOP w0.231: SITE2.118 327.83,254.23 v1(328.03,254.03)
S2_PS9G_DCH030: length 9.2
  TOP w0.231: SITE2.148 317.62,247.23 317.3,246.91 314.16,246.91 312.63,245.39 v1(310.91,245.39)